# Altium PCB OpenPLCv0.2.0.PcbDoc (part 1 of 6) (continued)
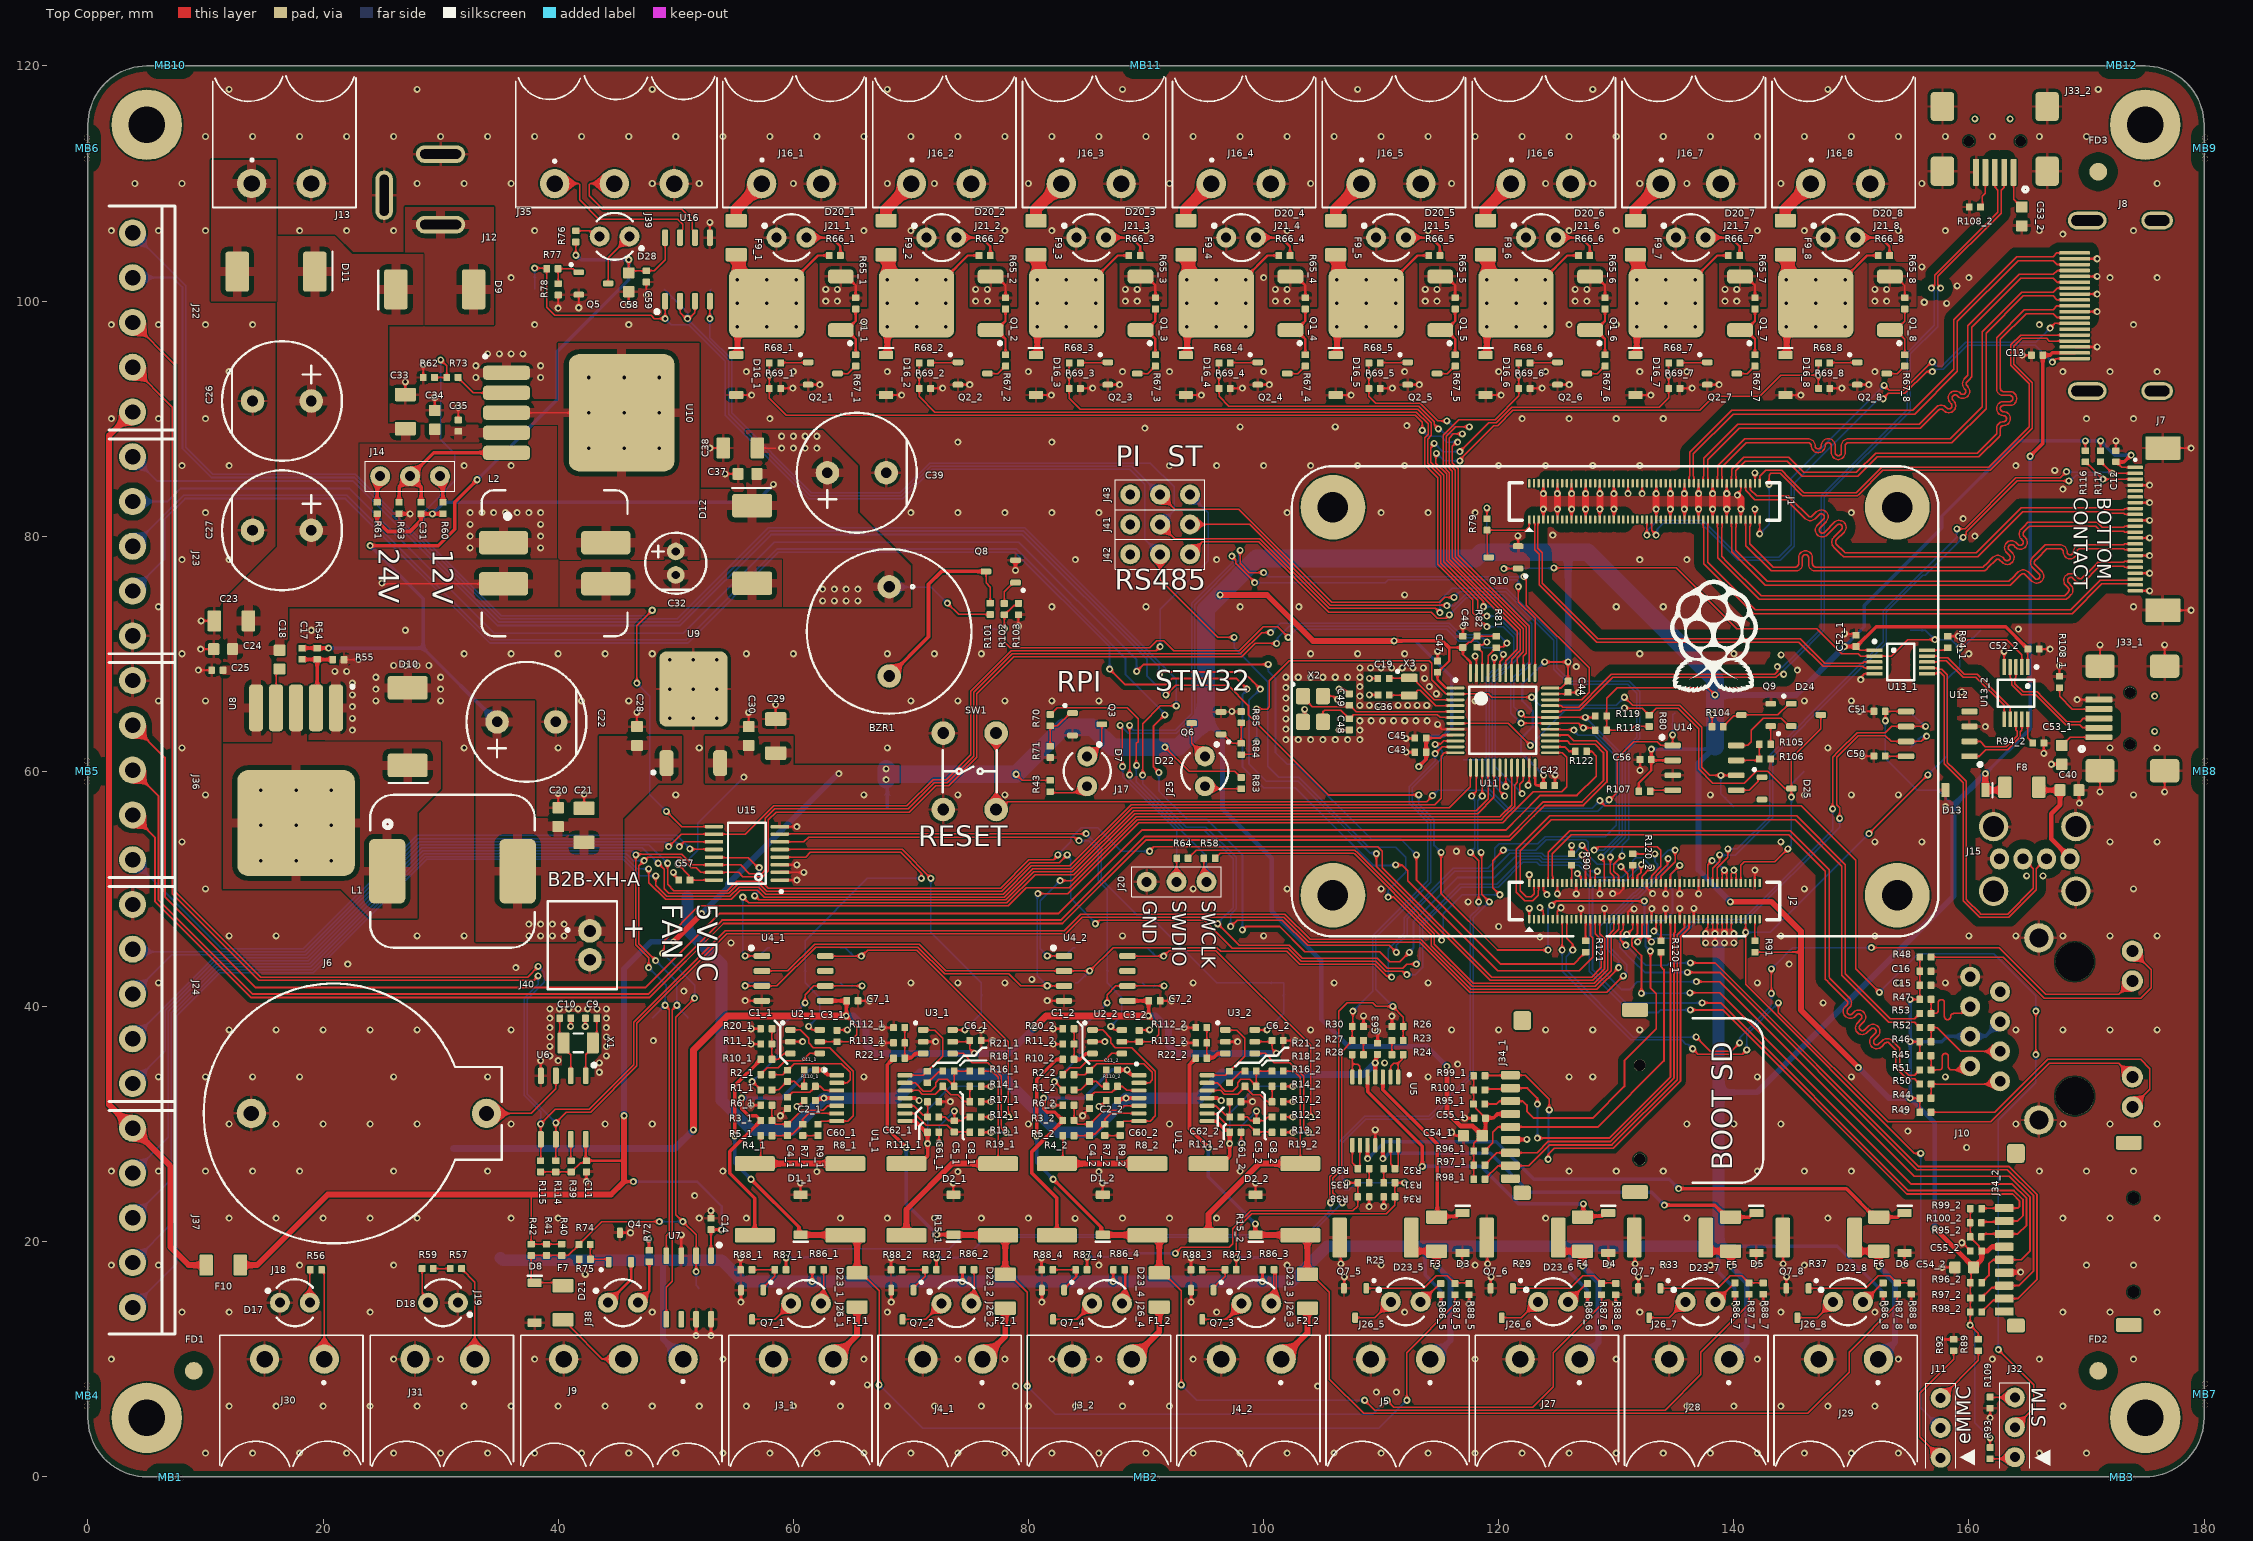
[diagram p0: Top Copper view]
## Classes and differential pairs
differential pair class 120R_DIFF_PAIRS: RS485
net class 120R_PAIRS: RS485_N RS485_P
net class SPI_DATA: GPIO19 GPIO20 MCU_SPI_MISO MCU_SPI_MOSI
net class SPI_CLK: GPIO21 MCU_SPI_SCK PI_SPI_SCK SPI2_SCK
net class SDIO_CLK_CMD: GPIO22 GPIO23 SD_CLK SD_CLK_1 SD_CLK_2 SD_CMD
net class SDIO_DATA: GPIO24 GPIO25 GPIO26 GPIO27 SD_DAT0 SD_DAT1 SD_DAT2 SD_DAT3 SD_DAT4 SD_DAT4_2 SD_DAT5 SD_DAT5_2 SD_DAT6 SD_DAT6_2 SD_DAT7 SD_DAT7_2
component class LED_AO8: D23_8 J26_8 Q7_8 R86_8 R87_8 R88_8
component class USB_UFP_STM: C53_2 J33_2 R108_2
net class STM_GPIO[1..5]: STM_GPIO1 STM_GPIO2 STM_GPIO3 STM_GPIO4 STM_GPIO5
channel class OpenPLCv0.2.0_USBSwitch: USBMUX1 USBMUX2
channel class OpenPLCv0.2.0_USBPortTypeB: USB_DFP_PI USB_UFP
channel class OpenPLCv0.2.0_SDCard: SD_BOOT SD_STG
channel class OpenPLCv0.2.0_IOLED: LED_AI1 LED_AI2 LED_AI3 LED_AI4 LED_AO5
channel class OpenPLCv0.2.0_BinaryOut: BO1 BO2 BO3 BO4 BO5 BO6 BO7 BO8
channel class OpenPLCv0.2.0_AnalogueOutput: AO1 AO2
net class EXP_GPIO[1..8]: EXP_GPIO1 EXP_GPIO2 EXP_GPIO3 EXP_GPIO4 EXP_GPIO5 EXP_GPIO6 EXP_GPIO7 EXP_GPIO8
component class WDG: C56 D24 D25 Q9 R104 R105 R106 R107 SW1 TP44 TP45 U14
component class USBMUX2: C52_2 R94_2 TP35_2 U13_2
component class USBMUX1: C52_1 R94_1 TP35_1 U13_1
component class USB_DFP_PI: C53_1 J33_1 R108_1
component class SERIAL: C50 C51 TP27 TP28 U12
component class SD_STG: C54_2 C55_2 J34_2 R95_2 R96_2 R97_2 R98_2 R99_2 R100_2 R120_2
component class SD_BOOT: C54_1 C55_1 J34_1 R95_1 R96_1 R97_1 R98_1 R99_1 R100_1 R120_1
component class RS485: C58 C59 D28 J35 J39 J41 J42 J43 Q5 R76 R77 R78 TP48 TP49 TP50 U16
component class GPIO: C57 TP46 TP47 U15
component class EXP: F10 J22 J23 J24 J36 J37 R121 R122
component class BUZZ: BZR1 Q8 R101 R102 R103 TP42
component class OpenPLCv0.2.0_TopLevel: FD1 FD2 FD3 J11 MB1 MB2 MB3 MB4 MB5 MB6 MB7 MB8 MB9 MB10 MB11 MB12 Q10 R79 R89 R92 TP7 TP8 TP9 TP21
component class CM4: D7 J1 J2 J17 J40 Q3 R43 R70 R71 R90 R91
component class LED_AO7: D23_7 J26_7 Q7_7 R86_7 R87_7 R88_7
component class LED_AO6: D23_6 J26_6 Q7_6 R86_6 R87_6 R88_6
component class LED_AO5: D23_5 J26_5 Q7_5 R86_5 R87_5 R88_5
component class LED_AI4: D23_4 J26_4 Q7_4 R86_4 R87_4 R88_4
component class LED_AI3: D23_3 J26_3 Q7_3 R86_3 R87_3 R88_3
component class LED_AI2: D23_2 J26_2 Q7_2 R86_2 R87_2 R88_2
component class LED_AI1: D23_1 J26_1 Q7_1 R86_1 R87_1 R88_1
differential pair class 100R_DIFF_PAIRS: CAM0_C CAM0_D0 CAM0_D1 CAM1_C CAM1_D0 CAM1_D1 CAM1_D2 CAM1_D3 DSI0.CLK DSI0.D0 DSI0.D1 DSI0.D2 DSI0.D3 DSI0_C DSI0_D0 DSI0_D1 DSI1_C DSI1_D0 DSI1_D1 DSI1_D2 DSI1_D3 ETH_GB.D0 ETH_GB.D1 ETH_GB.D2 ETH_GB.D3 ETH_RES_0 ETH_RES_1 HDMI0.CLK HDMI0.D0 HDMI0.D1 HDMI0.D2 HDMI1_CLK HDMI1_TX0 HDMI1_TX1 HDMI1_TX2
differential pair class 90R_DIFF_PAIRS: P\C\I\E\_\C\L\K\ P\C\I\E\_\R\X\ P\C\I\E\_\T\X\ STM_USB_MCU.DATA USB.DATA USB.DATA_1 USB_1_D_2 USB_2_D_2 USB_COM_D_1
net class PWM[1..9]: PWM1 PWM2 PWM3 PWM4 PWM5 PWM6 PWM7 PWM8 PWM9
net class GPIO[2..27]: GPIO2 GPIO3 GPIO4 GPIO5 GPIO6 GPIO7 GPIO8 GPIO9 GPIO10 GPIO11 GPIO12 GPIO13 GPIO14 GPIO15 GPIO16 GPIO17 GPIO18 GPIO19 GPIO20 GPIO21 GPIO22 GPIO23 GPIO24 GPIO25 GPIO26 GPIO27
net class ANALOG_IP[0..1]: ANALOG_IP0 ANALOG_IP1
net class ADC_IN[1..4]: ADC_IN1 ADC_IN2 ADC_IN3 ADC_IN4
net class 100R_PAIRS: CAM0_C_N CAM0_C_P CAM0_D0_N CAM0_D0_P CAM0_D1_N CAM0_D1_P CAM1_C_N CAM1_C_P CAM1_D0_N CAM1_D0_P CAM1_D1_N CAM1_D1_P CAM1_D2_N CAM1_D2_P CAM1_D3_N CAM1_D3_P DSI0.CLK_N DSI0.CLK_P DSI0.D0_N DSI0.D0_P DSI0.D1_N DSI0.D1_P DSI0.D2_N DSI0.D2_P DSI0.D3_N DSI0.D3_P DSI0_C_N DSI0_C_P DSI0_D0_N DSI0_D0_P DSI0_D1_N DSI0_D1_P ETH_GB.D0_N ETH_GB.D0_P ETH_GB.D1_N ETH_GB.D1_P ETH_GB.D2_N ETH_GB.D2_P ETH_GB.D3_N ETH_GB.D3_P ETH_RES_0_N ETH_RES_0_P ETH_RES_1_N ETH_RES_1_P HDMI0.CLK_N HDMI0.CLK_P HDMI0.D0_N HDMI0.D0_P HDMI0.D1_N HDMI0.D1_P HDMI0.D2_N HDMI0.D2_P HDMI1_CLK_N HDMI1_CLK_P HDMI1_TX0_N HDMI1_TX0_P HDMI1_TX1_N HDMI1_TX1_P HDMI1_TX2_N HDMI1_TX2_P
net class 90R_PAIRS: P\C\I\E\_\C\L\K\_N P\C\I\E\_\C\L\K\_P P\C\I\E\_\R\X\_N P\C\I\E\_\R\X\_P P\C\I\E\_\T\X\_N P\C\I\E\_\T\X\_P STM_USB_MCU.DATA_N STM_USB_MCU.DATA_P USB.DATA_1_N USB.DATA_1_P USB.DATA_N USB.DATA_P USB_1_D_2_N USB_1_D_2_P USB_2_D_2_N USB_2_D_2_P USB_COM_D_1_N USB_COM_D_1_P
component class USB_UFP: C40 D13 F8 J15
component class RTC: C9 C10 C11 J6 R39 R114 R115 U6 X1
component class PWR: C17 C18 C20 C21 C22 C23 C24 C25 C26 C27 C28 C29 C30 C31 C32 C33 C34 C35 C37 C38 C39 D9 D10 D11 D12 D17 D18 J12 J13 J14 J18 J19 J30 J31 L1 L2 R54 R55 R56 R57 R59 R60 R61 R62 R63 R73 TP1 TP2 TP3 U8 U9 U10
component class ETH: C15 C16 J10 R44 R45 R46 R47 R48 R49 R50 R51 R52 R53
component class DSP: C12 C13 J7 J8 R116 R117
component class MCU: C19 C36 C42 C43 C44 C45 C46 C47 C48 C49 D22 J20 J25 J32 Q6 R58 R64 R80 R81 R82 R83 R84 R85 R93 R109 R118 R119 TP25 TP26 U11 X2 X3
component class BO8: D16_8 D20_8 F9_8 J16_8 J21_8 Q1_8 Q2_8 R65_8 R66_8 R67_8 R68_8 R69_8 TP22_8
component class BO7: D16_7 D20_7 F9_7 J16_7 J21_7 Q1_7 Q2_7 R65_7 R66_7 R67_7 R68_7 R69_7 TP22_7
component class BO6: D16_6 D20_6 F9_6 J16_6 J21_6 Q1_6 Q2_6 R65_6 R66_6 R67_6 R68_6 R69_6 TP22_6
component class BO5: D16_5 D20_5 F9_5 J16_5 J21_5 Q1_5 Q2_5 R65_5 R66_5 R67_5 R68_5 R69_5 TP22_5
component class BO4: D16_4 D20_4 F9_4 J16_4 J21_4 Q1_4 Q2_4 R65_4 R66_4 R67_4 R68_4 R69_4 TP22_4
component class BO3: D16_3 D20_3 F9_3 J16_3 J21_3 Q1_3 Q2_3 R65_3 R66_3 R67_3 R68_3 R69_3 TP22_3
component class BO2: D16_2 D20_2 F9_2 J16_2 J21_2 Q1_2 Q2_2 R65_2 R66_2 R67_2 R68_2 R69_2 TP22_2
component class BO1: D16_1 D20_1 F9_1 J16_1 J21_1 Q1_1 Q2_1 R65_1 R66_1 R67_1 R68_1 R69_1 TP22_1
component class AO2: C1_2 C2_2 C3_2 C4_2 C5_2 C6_2 C7_2 C8_2 C41_2 C60_2 C61_2 C62_2 D1_2 D2_2 F1_2 F2_2 J3_2 J4_2 R1_2 R2_2 R3_2 R4_2 R5_2 R6_2 R7_2 R8_2 R9_2 R10_2 R11_2 R12_2 R13_2 R14_2 R15_2 R16_2 R17_2 R18_2 R19_2 R20_2 R21_2 R22_2 R110_2 R111_2 R112_2 R113_2 TP4_2 TP5_2 TP6_2 TP11_2 U1_2 U2_2 U3_2 U4_2
component class AO1: C1_1 C2_1 C3_1 C4_1 C5_1 C6_1 C7_1 C8_1 C41_1 C60_1 C61_1 C62_1 D1_1 D2_1 F1_1 F2_1 J3_1 J4_1 R1_1 R2_1 R3_1 R4_1 R5_1 R6_1 R7_1 R8_1 R9_1 R10_1 R11_1 R12_1 R13_1 R14_1 R15_1 R16_1 R17_1 R18_1 R19_1 R20_1 R21_1 R22_1 R110_1 R111_1 R112_1 R113_1 TP4_1 TP5_1 TP6_1 TP11_1 U1_1 U2_1 U3_1 U4_1
component class AI: C63 D3 D4 D5 D6 F3 F4 F5 F6 J5 J27 J28 J29 R23 R24 R25 R26 R27 R28 R29 R30 R31 R32 R33 R34 R35 R36 R37 R38 TP13 TP14 TP15 TP16 U5
component class 1Wire: C14 D8 D21 F7 J9 J38 Q4 R40 R41 R42 R72 R74 R75 TP19 U7
differential pair ETH_RES_1: +ETH_RES_1_P -ETH_RES_1_N
differential pair ETH_RES_0: +ETH_RES_0_P -ETH_RES_0_N
differential pair RS485: +RS485_P -RS485_N
differential pair STM_USB_MCU.DATA: +STM_USB_MCU.DATA_P -STM_USB_MCU.DATA_N
differential pair DSI0_D1: +DSI0_D1_P -DSI0_D1_N
differential pair DSI0_D0: +DSI0_D0_P -DSI0_D0_N
differential pair DSI0_C: +DSI0_C_P -DSI0_C_N
differential pair DSI0.D3: +DSI0.D3_P -DSI0.D3_N
differential pair DSI0.D2: +DSI0.D2_P -DSI0.D2_N
differential pair USB_COM_D_1: +USB_COM_D_1_P -USB_COM_D_1_N
differential pair USB_2_D_2: +USB_2_D_2_P -USB_2_D_2_N
differential pair USB_1_D_2: +USB_1_D_2_P -USB_1_D_2_N
differential pair USB.DATA: +USB.DATA_P -USB.DATA_N
differential pair USB.DATA_1: +USB.DATA_1_P -USB.DATA_1_N
differential pair HDMI1_TX2: +HDMI1_TX2_P -HDMI1_TX2_N
differential pair HDMI1_TX1: +HDMI1_TX1_P -HDMI1_TX1_N
differential pair HDMI1_TX0: +HDMI1_TX0_P -HDMI1_TX0_N
differential pair HDMI1_CLK: +HDMI1_CLK_P -HDMI1_CLK_N
differential pair P\C\I\E\_\T\X\: +P\C\I\E\_\T\X\_P -P\C\I\E\_\T\X\_N
differential pair P\C\I\E\_\R\X\: +P\C\I\E\_\R\X\_P -P\C\I\E\_\R\X\_N
differential pair P\C\I\E\_\C\L\K\: +P\C\I\E\_\C\L\K\_P -P\C\I\E\_\C\L\K\_N
differential pair HDMI0.D2: +HDMI0.D2_P -HDMI0.D2_N
differential pair HDMI0.D1: +HDMI0.D1_P -HDMI0.D1_N
differential pair HDMI0.D0: +HDMI0.D0_P -HDMI0.D0_N
differential pair HDMI0.CLK: +HDMI0.CLK_P -HDMI0.CLK_N
differential pair ETH_GB.D3: +ETH_GB.D3_P -ETH_GB.D3_N
differential pair ETH_GB.D2: +ETH_GB.D2_P -ETH_GB.D2_N
differential pair ETH_GB.D1: +ETH_GB.D1_P -ETH_GB.D1_N
differential pair ETH_GB.D0: +ETH_GB.D0_P -ETH_GB.D0_N
differential pair DSI0.D1: +DSI0.D1_P -DSI0.D1_N
differential pair DSI0.D0: +DSI0.D0_P -DSI0.D0_N
differential pair DSI0.CLK: +DSI0.CLK_P -DSI0.CLK_N
differential pair CAM1_D3: +CAM1_D3_P -CAM1_D3_N
differential pair CAM1_D2: +CAM1_D2_P -CAM1_D2_N
differential pair CAM1_D1: +CAM1_D1_P -CAM1_D1_N
differential pair CAM1_D0: +CAM1_D0_P -CAM1_D0_N
differential pair CAM1_C: +CAM1_C_P -CAM1_C_N
differential pair CAM0_D1: +CAM0_D1_P -CAM0_D1_N
differential pair CAM0_D0: +CAM0_D0_P -CAM0_D0_N
differential pair CAM0_C: +CAM0_C_P -CAM0_C_N

## Components (designator, comment, footprint, x,y, rotation, side; value= is the part's Value field where it differs from the comment)
BZR1 "SFN-1407PA7.6" SFN-1407PA7.6 68.151,71.9 r0 top
C1_1 "CC0402KRX7R9BB103" SMD_CAP_0402(1005)_N 59.5,34.1 r270 top (schematic designator C1)
C1_2 "CC0402KRX7R9BB103" SMD_CAP_0402(1005)_N 85.2,34.1 r270 top (schematic designator C1)
C2_1 "CC0402KRX5R9BB104" SMD_CAP_0402(1005)_N 61.4,32 r0 top (schematic designator C2)
C2_2 "CC0402KRX5R9BB104" SMD_CAP_0402(1005)_N 87.1,32 r0 top (schematic designator C2)
C3_1 "CC0402KRX5R6BB104" SMD_CAP_0402(1005)_N 63.72,37.48 r270 top (schematic designator C3)
C3_2 "CC0402KRX5R6BB104" SMD_CAP_0402(1005)_N 89.42,37.48 r270 top (schematic designator C3)
C4_1 "CC0402KRX7R9BB103" SMD_CAP_0402(1005)_N 59.5,29.5 r90 top (schematic designator C4)
C4_2 "CC0402KRX7R9BB103" SMD_CAP_0402(1005)_N 85.2,29.5 r90 top (schematic designator C4)
C5_1 "CC0402KRX7R9BB103" SMD_CAP_0402(1005)_N 73.7,29.8 r90 top (schematic designator C5)
C5_2 "CC0402KRX7R9BB103" SMD_CAP_0402(1005)_N 99.4,29.8 r90 top (schematic designator C5)
C6_1 "CC0402KRX5R6BB104" SMD_CAP_0402(1005)_N 75.5,37.1 r180 top (schematic designator C6)
C6_2 "CC0402KRX5R6BB104" SMD_CAP_0402(1005)_N 101.2,37.1 r180 top (schematic designator C6)
C7_1 "CC0402KRX5R6BB104" SMD_CAP_0402(1005)_N 65.024,40.482 r180 top (schematic designator C7)
C7_2 "CC0402KRX5R6BB104" SMD_CAP_0402(1005)_N 90.724,40.482 r180 top (schematic designator C7)
C8_1 "CC0402KRX7R9BB103" SMD_CAP_0402(1005)_N 73.2,33.2 r180 top (schematic designator C8)
C8_2 "CC0402KRX7R9BB103" SMD_CAP_0402(1005)_N 98.9,33.2 r180 top (schematic designator C8)
C9 "CC0402KRX5R9BB104" SMD_CAP_0402(1005)_N 42.8,39 r0 top
C10 "CC0402KRX5R9BB104" SMD_CAP_0402(1005)_N 40.6,39 r180 top
C11 "CC0402KRX5R6BB104" SMD_CAP_0402(1005)_N 42.4,26.4 r90 top
C12 "CC0402KRX5R6BB104" SMD_CAP_0402(1005)_N 172.5,86.8 r270 top
C13 "CC0402KRX5R6BB104" SMD_CAP_0402(1005)_N 165.8,95.4 r0 top
C14 "CC0402KRX5R6BB104" SMD_CAP_0402(1005)_N 53,21.5 r270 top
C15 "CC0402KRX5R9BB104" SMD_CAP_0402(1005)_N 156.3,41.8 r180 top
C16 "CC0402KRX5R9BB104" SMD_CAP_0402(1005)_N 156.3,43 r180 top
C17 "CC0402KRX7R9BB333" SMD_CAP_0402(1005)_N 18.2,70 r90 top
C18 "CC0603KRX5R9BB105" SMD_CAP_0603(0201)_N 16.3,69.5 r90 top
C19 "CC0402JRNPO9BN200" SMD_CAP_0402(1005)_N 110.2,67.9 r0 top
C20 "CC0603KRX5R9BB105" SMD_CAP_0603(0201)_N 40,56.1 r270 top
C21 "CC1206KKX5R9BB106" SMD_CAP_1206(3216)_N 42.2,55.4 r270 top
C22 "ECR1HPT221MLL100012" Electrolytic_D10mm_H12.5mm 37.3,64.2 r270 top
C23 "CC1206KKX5R9BB106" SMD_CAP_1206(3216)_N 12.2,72.8 r0 top
C24 "CC0603KRX5R9BB105" SMD_CAP_0603(0201)_N 11.5,70.4 r0 top
C25 "CC0402KRX5R9BB104" SMD_CAP_0402(1005)_N 11,68.6 r0 top
C26 "ECR1HPT221MLL100012" Electrolytic_D10mm_H12.5mm 16.5,91.5 r90 top
C27 "ECR1HPT221MLL100012" Electrolytic_D10mm_H12.5mm 16.5,80.5 r90 top
C28 "CC0603KRX5R9BB105" SMD_CAP_0603(0201)_N 46.7,63 r270 top
C29 "CC1206KKX5R9BB106" SMD_CAP_1206(3216)_N 58.5,63 r270 top
C30 "CC0603KRX5R9BB105" SMD_CAP_0603(0201)_N 56.2,63 r270 top
C31 "CC0402KRX7R9BB333" SMD_CAP_0402(1005)_N 28.333,82.4 r270 top
C32 "KM226M050D11RR0VH2FP0" Electrolytic_D5mm_H11mm 50,77.7 r180 top
C33 "CC1206KKX5R9BB106" SMD_CAP_1206(3216)_N 27,90.6 r270 top
C34 "CC0603KRX5R9BB105" SMD_CAP_0603(0201)_N 29.5,89.9 r270 top
C35 "CC0402KRX5R9BB104" SMD_CAP_0402(1005)_N 31.5,89.4 r270 top
C36 "CC0402JRNPO9BN200" SMD_CAP_0402(1005)_N 110.22,66.5 r0 top
C37 "CC0603KRX5R9BB105" SMD_CAP_0603(0201)_N 56.1,85.3 r0 top
C38 "CC1206KKX5R9BB106" SMD_CAP_1206(3216)_N 55.5,87.5 r0 top
C39 "ECR1HPT221MLL100012" Electrolytic_D10mm_H12.5mm 65.4,85.4 r270 top
C40 "CC0603KRX5R6BB475" SMD_CAP_0603(0201)_N 168.55,58.4 r180 top
C41_1 "CC0402KRX7R9BB103" SMD_CAP_0402(1005)_N 61.4,34.6 r180 top (schematic designator C41)
C41_2 "CC0402KRX7R9BB103" SMD_CAP_0402(1005)_N 87.1,34.6 r180 top (schematic designator C41)
C42 "CC0402KRX5R6BB104" SMD_CAP_0402(1005)_N 124.3,58.8 r180 top
C43 "CC0402KRX5R6BB104" SMD_CAP_0402(1005)_N 113.35,61.63 r0 top
C44 "CC0402KRX5R6BB104" SMD_CAP_0402(1005)_N 125.9,67.2 r90 top
C45 "CC0402KRX5R6BB104" SMD_CAP_0402(1005)_N 113.35,62.83 r0 top
C46 "CC0402KRX5R6BB104" SMD_CAP_0402(1005)_N 116.95,71.01 r270 top
C47 "CC0402KRX7R9BB103" SMD_CAP_0402(1005)_N 114.8,68.9 r270 top
C48 "CC0402JRNPO9BN120" SMD_CAP_0402(1005)_N 107.3,66.1 r270 top
C49 "CC0402JRNPO9BN120" SMD_CAP_0402(1005)_N 107.3,64 r90 top
C50 "CC0402KRX5R6BB104" SMD_CAP_0402(1005)_N 152.4,61.3 r0 top
C51 "CC0402KRX5R6BB104" SMD_CAP_0402(1005)_N 152.4,65.1 r0 top
C52_1 "CC0402KRX5R6BB104" SMD_CAP_0402(1005)_N 150.4,71.1 r270 top (schematic designator C52)
C52_2 "CC0402KRX5R6BB104" SMD_CAP_0402(1005)_N 165.5,70.4 r180 top (schematic designator C52)
C53_1 "CC0603KRX5R6BB475" SMD_CAP_0603(0201)_N 167.9,61.4 r90 top (schematic designator C53)
C53_2 "CC0603KRX5R6BB475" SMD_CAP_0603(0201)_N 164.5,107.2 r90 top (schematic designator C53)
C54_1 "CC0603KRX5R9BB105" SMD_CAP_0603(0201)_N 117.8,29 r0 top (schematic designator C54)
C54_2 "CC0603KRX5R9BB105" SMD_CAP_0603(0201)_N 159.6,17.8 r0 top (schematic designator C54)
C55_1 "CC0402KRX5R6BB104" SMD_CAP_0402(1005)_N 118.4,30.5 r0 top (schematic designator C55)
C55_2 "CC0402KRX5R6BB104" SMD_CAP_0402(1005)_N 160.6,19.2 r0 top (schematic designator C55)
C56 "CC0402KRX5R6BB104" SMD_CAP_0402(1005)_N 132.5,61 r0 top
C57 "CC0402KRX5R6BB104" SMD_CAP_0402(1005)_N 50.73,50.75 r0 top
C58 "CC0603KRX5R9BB105" SMD_CAP_0603(0201)_N 46,101.6 r90 top
C59 "CC0402KRX5R6BB104" SMD_CAP_0402(1005)_N 47.5,102.1 r90 top
C60_1 "CC0402KRX7R9BB103" SMD_CAP_0402(1005)_N 59.5,31.8 r270 top (schematic designator C60)
C60_2 "CC0402KRX7R9BB103" SMD_CAP_0402(1005)_N 85.2,31.8 r270 top (schematic designator C60)
C61_1 "CC0402KRX7R9BB103" SMD_CAP_0402(1005)_N 71.9,29.3 r0 top (schematic designator C61)
C61_2 "CC0402KRX7R9BB103" SMD_CAP_0402(1005)_N 97.6,29.3 r0 top (schematic designator C61)
C62_1 "CC0402KRX7R9BB103" SMD_CAP_0402(1005)_N 71.9,31.9 r0 top (schematic designator C62)
C62_2 "CC0402KRX7R9BB103" SMD_CAP_0402(1005)_N 97.6,31.9 r0 top (schematic designator C62)
C63 "CC0402KRX5R9BB104" SMD_CAP_0402(1005)_N 109.7,36.4 r270 top
D1_1 "SMF22A" SOD-123FL 60.624,22.282 r90 top (schematic designator D1)
D1_2 "SMF22A" SOD-123FL 86.324,22.282 r90 top (schematic designator D1)
D2_1 "SMF22A" SOD-123FL 73.624,22.282 r90 top (schematic designator D2)
D2_2 "SMF22A" SOD-123FL 99.324,22.282 r90 top (schematic designator D2)
D3 "SMF22A" SOD-123FL 116.924,20.732 r270 top
D4 "SMF22A" SOD-123FL 129.324,20.732 r270 top
D5 "SMF22A" SOD-123FL 141.924,20.732 r270 top
D6 "SMF22A" SOD-123FL 154.524,20.732 r270 top
D7 "TJ-L3FYTGCBMCGSFLC6B-A5" LED_3MM_SPACED_6.4MM_BLUE 85,60 r270 top
D8 "SMF3.3A" SOD-123FL 38,14.8 r270 top
D9 "SK106C" DO-214AB 29.5,101 r0 top
D10 "SK106C" DO-214AB 27.2,63.8 r90 top
D11 "SK106C" DO-214AB 16,102.5 r180 top
D12 "SK106C" DO-214AB 56.5,79.3 r270 top
D13 "SMF5.0A" SOD-123FL 159.7,58.4 r180 top
D16_1 "SMF22A" SOD-123FL 55.143,93.711 r270 top (schematic designator D16)
D16_2 "SMF22A" SOD-123FL 67.892,93.711 r270 top (schematic designator D16)
D16_3 "SMF22A" SOD-123FL 80.641,93.711 r270 top (schematic designator D16)
D16_4 "SMF22A" SOD-123FL 93.39,93.711 r270 top (schematic designator D16)
D16_5 "SMF22A" SOD-123FL 106.139,93.711 r270 top (schematic designator D16)
D16_6 "SMF22A" SOD-123FL 118.888,93.711 r270 top (schematic designator D16)
D16_7 "SMF22A" SOD-123FL 131.637,93.711 r270 top (schematic designator D16)
D16_8 "SMF22A" SOD-123FL 144.386,93.711 r270 top (schematic designator D16)
D17 "TJ-L3FYTGCRTFCLFLC2R-A5" LED_3MM_SPACED_6.4MM_RED 17.6,14.8 r0 top
D18 "TJ-L3FYTGCRTFCLFLC2R-A5" LED_3MM_SPACED_6.4MM_RED 30.2,14.8 r180 top
D20_1 "TJ-L3FYTGCTCGSFLC2G-A5" LED_3MM_SPACED_6.4MM_GREEN 59.842,105.4 r0 top (schematic designator D20)
D20_2 "TJ-L3FYTGCTCGSFLC2G-A5" LED_3MM_SPACED_6.4MM_GREEN 72.591,105.4 r0 top (schematic designator D20)
D20_3 "TJ-L3FYTGCTCGSFLC2G-A5" LED_3MM_SPACED_6.4MM_GREEN 85.34,105.4 r0 top (schematic designator D20)
D20_4 "TJ-L3FYTGCTCGSFLC2G-A5" LED_3MM_SPACED_6.4MM_GREEN 98.089,105.4 r0 top (schematic designator D20)
D20_5 "TJ-L3FYTGCTCGSFLC2G-A5" LED_3MM_SPACED_6.4MM_GREEN 110.838,105.4 r0 top (schematic designator D20)
D20_6 "TJ-L3FYTGCTCGSFLC2G-A5" LED_3MM_SPACED_6.4MM_GREEN 123.587,105.4 r0 top (schematic designator D20)
D20_7 "TJ-L3FYTGCTCGSFLC2G-A5" LED_3MM_SPACED_6.4MM_GREEN 136.336,105.4 r0 top (schematic designator D20)
D20_8 "TJ-L3FYTGCTCGSFLC2G-A5" LED_3MM_SPACED_6.4MM_GREEN 149.085,105.4 r0 top (schematic designator D20)
D21 "TJ-L3FYTXHAMCGLFLC0A-A5" LED_3MM_SPACED_6.4MM_YELLOW 45.5,14.8 r0 top
D22 "TJ-L3FYTGCBMCGSFLC6B-A5" LED_3MM_SPACED_6.4MM_BLUE 95,60 r270 top
D23_1 "TJ-L3FYTGCTCGSFLC2G-A5" LED_3MM_SPACED_6.4MM_GREEN 61.09,14.727 r0 top (schematic designator D23)
D23_2 "TJ-L3FYTGCTCGSFLC2G-A5" LED_3MM_SPACED_6.4MM_GREEN 73.88,14.727 r0 top (schematic designator D23)
D23_3 "TJ-L3FYTGCTCGSFLC2G-A5" LED_3MM_SPACED_6.4MM_GREEN 99.39,14.727 r0 top (schematic designator D23)
D23_4 "TJ-L3FYTGCTCGSFLC2G-A5" LED_3MM_SPACED_6.4MM_GREEN 86.69,14.727 r0 top (schematic designator D23)
D23_5 "TJ-L3FYTGCTCGSFLC2G-A5" LED_3MM_SPACED_6.4MM_GREEN 112.09,14.877 r0 top (schematic designator D23)
D23_6 "TJ-L3FYTGCTCGSFLC2G-A5" LED_3MM_SPACED_6.4MM_GREEN 124.63,14.877 r0 top (schematic designator D23)
D23_7 "TJ-L3FYTGCTCGSFLC2G-A5" LED_3MM_SPACED_6.4MM_GREEN 137.17,14.877 r0 top (schematic designator D23)
D23_8 "TJ-L3FYTGCTCGSFLC2G-A5" LED_3MM_SPACED_6.4MM_GREEN 149.71,14.877 r0 top (schematic designator D23)
D24 "LBAT54ALT1G" SOT23-3 146.15,64.797 r0 top
D25 "LBAT54ALT1G" SOT23-3 143.65,58.547 r0 top
D28 "TJ-L3FYTXHAMCGLFLC0A-A5" LED_3MM_SPACED_6.4MM_YELLOW 44.8,105.5 r180 top
F1_1 "JK-NSMD005" SMD_RES_1206(3216)_N 65.424,15.882 r270 top (schematic designator F1)
F1_2 "JK-NSMD005" SMD_RES_1206(3216)_N 91.124,15.882 r270 top (schematic designator F1)
F2_1 "JK-NSMD005" SMD_RES_1206(3216)_N 78.024,15.782 r270 top (schematic designator F2)
F2_2 "JK-NSMD005" SMD_RES_1206(3216)_N 103.724,15.782 r270 top (schematic designator F2)
F3 "JK-NSMD005" SMD_RES_1206(3216)_N 114.724,20.632 r270 top
F4 "JK-NSMD005" SMD_RES_1206(3216)_N 127.124,20.632 r270 top
F5 "JK-NSMD005" SMD_RES_1206(3216)_N 139.724,20.632 r270 top
F6 "JK-NSMD005" SMD_RES_1206(3216)_N 152.324,20.632 r270 top
F7 "JK-NSMD005" SMD_RES_1206(3216)_N 40.4,14.8 r270 top
F8 "JK-NSMD025-30V" SMD_RES_1206(3216)_N 164.5,58.65 r0 top
F9_1 "JK-NSMD025-30V" SMD_RES_1206(3216)_N 55.143,105.395 r90 top (schematic designator F9)
F9_2 "JK-NSMD025-30V" SMD_RES_1206(3216)_N 67.892,105.395 r90 top (schematic designator F9)
F9_3 "JK-NSMD025-30V" SMD_RES_1206(3216)_N 80.641,105.395 r90 top (schematic designator F9)
F9_4 "JK-NSMD025-30V" SMD_RES_1206(3216)_N 93.39,105.395 r90 top (schematic designator F9)
F9_5 "JK-NSMD025-30V" SMD_RES_1206(3216)_N 106.139,105.395 r90 top (schematic designator F9)
F9_6 "JK-NSMD025-30V" SMD_RES_1206(3216)_N 118.888,105.395 r90 top (schematic designator F9)
F9_7 "JK-NSMD025-30V" SMD_RES_1206(3216)_N 131.637,105.395 r90 top (schematic designator F9)
F9_8 "JK-NSMD025-30V" SMD_RES_1206(3216)_N 144.386,105.395 r90 top (schematic designator F9)
F10 "JK-NSMD025-30V" SMD_RES_1206(3216)_N 11.5,18 r180 top
FD1 "Fiducial" FIDUCIAL 9,9 r270 top
FD2 "Fiducial" FIDUCIAL 171,9 r0 top
FD3 "Fiducial" FIDUCIAL 171,111 r0 top
J1 "DF40HC(3.0)-100DS-0.4V(51" DF40HC(3.0)-100DS-0.4V(51 132.4,82.96 r90 top
J2 "DF40HC(3.0)-100DS-0.4V(51" DF40HC(3.0)-100DS-0.4V(51 132.4,48.96 r90 top
J3_1 "WJ2EDGRC-5.08-2P" 796638-2_BoardEdgeAlt 63.39,10 r270 top (schematic designator J3)
J3_2 "WJ2EDGRC-5.08-2P" 796638-2_BoardEdgeAlt 88.794,10 r270 top (schematic designator J3)
J4_1 "WJ2EDGRC-5.08-2P" 796638-2_BoardEdgeAlt 76.092,10 r270 top (schematic designator J4)
J4_2 "WJ2EDGRC-5.08-2P" 796638-2_BoardEdgeAlt 101.496,10 r270 top (schematic designator J4)
J5 "WJ2EDGRC-5.08-2P" 796638-2_BoardEdgeAlt 114.198,10 r270 top
J6 "BS-2-1" BS-2-1 23.9,30.9 r90 top
J7 "X05B20L22T" X05B20L22T 174.15,80.6 r0 top
J8 "HDMI-001" HDMI-001 169,104.1 r180 top
J9 "WJ2EDGRC-5.08-3P" 796638-3_BoardEdgeAlt 50.621,10 r270 top
J10 "HR913550A" HR913550A 162.65,33.635 r270 top
J11 "12251103CNG0S115001" HEADER_3POS 157.6,6.69 r270 top
J12 "DC-005 5.5-2.0MM" "DC-005 5.5-2.0MM" 30,106.5 r180 top
J13 "WJ2EDGRC-5.08-2P" 796638-2_BoardEdgeAlt 13.92,110 r90 top
J14 "12251103CNG0S115001" HEADER_3POS 29.94,85.1 r180 top
J15 "C26235" C26235 165.6,52.55 r180 top
J16_1 "WJ2EDGRC-5.08-2P" 796638-2_BoardEdgeAlt 57.302,109.995 r90 top (schematic designator J16)
J16_2 "WJ2EDGRC-5.08-2P" 796638-2_BoardEdgeAlt 70.051,109.995 r90 top (schematic designator J16)
J16_3 "WJ2EDGRC-5.08-2P" 796638-2_BoardEdgeAlt 82.8,109.995 r90 top (schematic designator J16)
J16_4 "WJ2EDGRC-5.08-2P" 796638-2_BoardEdgeAlt 95.549,109.995 r90 top (schematic designator J16)
J16_5 "WJ2EDGRC-5.08-2P" 796638-2_BoardEdgeAlt 108.298,109.995 r90 top (schematic designator J16)
J16_6 "WJ2EDGRC-5.08-2P" 796638-2_BoardEdgeAlt 121.047,109.995 r90 top (schematic designator J16)
J16_7 "WJ2EDGRC-5.08-2P" 796638-2_BoardEdgeAlt 133.796,109.995 r90 top (schematic designator J16)
J16_8 "WJ2EDGRC-5.08-2P" 796638-2_BoardEdgeAlt 146.545,109.995 r90 top (schematic designator J16)
J17 "LEDS1-4-26" 3MM_LED_SPACER_6.4MM 85,60 r270 top
J18 "LEDS1-4-26" 3MM_LED_SPACER_6.4MM 17.6,14.7 r0 top
J19 "LEDS1-4-26" 3MM_LED_SPACER_6.4MM 30.2,14.7 r0 top
J20 "12251103CNG0S115001" HEADER_3POS 95.14,50.6 r180 top
J21_1 "LEDS1-4-26" 3MM_LED_SPACER_6.4MM 59.842,105.5 r90 top (schematic designator J21)
J21_2 "LEDS1-4-26" 3MM_LED_SPACER_6.4MM 72.591,105.5 r90 top (schematic designator J21)
J21_3 "LEDS1-4-26" 3MM_LED_SPACER_6.4MM 85.34,105.5 r90 top (schematic designator J21)
J21_4 "LEDS1-4-26" 3MM_LED_SPACER_6.4MM 98.089,105.5 r90 top (schematic designator J21)
J21_5 "LEDS1-4-26" 3MM_LED_SPACER_6.4MM 110.838,105.5 r90 top (schematic designator J21)
J21_6 "LEDS1-4-26" 3MM_LED_SPACER_6.4MM 123.587,105.5 r90 top (schematic designator J21)
J21_7 "LEDS1-4-26" 3MM_LED_SPACER_6.4MM 136.336,105.5 r90 top (schematic designator J21)
J21_8 "LEDS1-4-26" 3MM_LED_SPACER_6.4MM 149.085,105.5 r90 top (schematic designator J21)
J22 "WJ124-3.81-5P" WJ124-3.81-5P_BoardEdgeAlt 3.8,98.18 r90 top
J23 "WJ124-3.81-5P" WJ124-3.81-5P_BoardEdgeAlt 3.8,79.14 r90 top
J24 "WJ124-3.81-5P" WJ124-3.81-5P_BoardEdgeAlt 3.8,41.06 r90 top
J25 "LEDS1-4-26" 3MM_LED_SPACER_6.4MM 95,60 r270 top
J26_1 "LEDS1-4-26" 3MM_LED_SPACER_6.4MM 61.09,14.7 r0 top (schematic designator J26)
J26_2 "LEDS1-4-26" 3MM_LED_SPACER_6.4MM 73.88,14.7 r0 top (schematic designator J26)
J26_3 "LEDS1-4-26" 3MM_LED_SPACER_6.4MM 99.39,14.7 r0 top (schematic designator J26)
J26_4 "LEDS1-4-26" 3MM_LED_SPACER_6.4MM 86.69,14.7 r0 top (schematic designator J26)
J26_5 "LEDS1-4-26" 3MM_LED_SPACER_6.4MM 112.09,14.7 r0 top (schematic designator J26)
J26_6 "LEDS1-4-26" 3MM_LED_SPACER_6.4MM 124.56,14.7 r0 top (schematic designator J26)
J26_7 "LEDS1-4-26" 3MM_LED_SPACER_6.4MM 137.11,14.7 r0 top (schematic designator J26)
J26_8 "LEDS1-4-26" 3MM_LED_SPACER_6.4MM 149.71,14.7 r0 top (schematic designator J26)
J27 "WJ2EDGRC-5.08-2P" 796638-2_BoardEdgeAlt 126.9,10 r270 top
J28 "WJ2EDGRC-5.08-2P" 796638-2_BoardEdgeAlt 139.602,10 r270 top
J29 "WJ2EDGRC-5.08-2P" 796638-2_BoardEdgeAlt 152.304,10 r270 top
J30 "WJ2EDGRC-5.08-2P" 796638-2_BoardEdgeAlt 20.1,10 r270 top
J31 "WJ2EDGRC-5.08-2P" 796638-2_BoardEdgeAlt 32.9,10 r270 top
J32 "12251103CNG0S115001" HEADER_3POS 163.9,1.66 r90 top
J33_1 "920-462A2021S10100" 920-462A2021S10100 178.9,64.5 r180 top (schematic designator J33)
J33_2 "920-462A2021S10100" 920-462A2021S10100 162.2,118.8 r270 top (schematic designator J33)
J34_1 "XKTF-N02-N" XKTF-N02-N 121,34.15 r90 top (schematic designator J34)
J34_2 "XKTF-N02-N" XKTF-N02-N 163,22.85 r90 top (schematic designator J34)
J35 "WJ2EDGRC-5.08-3P" 796638-3_BoardEdgeAlt 39.7,109.995 r90 top
J36 "WJ124-3.81-5P" WJ124-3.81-5P_BoardEdgeAlt 3.8,60.1 r90 top
J37 "WJ124-3.81-5P" WJ124-3.81-5P_BoardEdgeAlt 3.8,22.02 r90 top
J38 "LEDS1-4-26" 3MM_LED_SPACER_6.4MM 45.5,14.7 r0 top
J39 "LEDS1-4-26" 3MM_LED_SPACER_6.4MM 44.8,105.5 r180 top
J40 "B2B-XH-A (LF)(SN)" "B2B-XH-A (LF)(SN)" 42.7,45.2 r90 top
J41 "12251103CNG0S115001" Header_3POS 93.74,81 r180 top
J42 "12251103CNG0S115001" Header_3POS 93.74,78.46 r180 top
J43 "12251103CNG0S115001" Header_3POS 93.74,83.54 r180 top
L1 "TMPC1206HP-470MG-D" TMPC1206HP-470MG-D 31,51.5 r0 top
L2 "HM78D-128470MLFTR" HM78D-128470MLFTR 39.7,77.7 r90 top
MB1 "Mousebite" MOUSEBITE 7,0 r0 top
MB2 "Mousebite" MOUSEBITE 90,0 r0 top
MB3 "Mousebite" MOUSEBITE 173,0 r0 top
MB4 "Mousebite" MOUSEBITE 0,6.9 r270 top
MB5 "Mousebite" MOUSEBITE 0,60 r270 top
MB6 "Mousebite" MOUSEBITE 0,113 r270 top
MB7 "Mousebite" MOUSEBITE 180,7 r90 top
MB8 "Mousebite" MOUSEBITE 180,60 r90 top
MB9 "Mousebite" MOUSEBITE 180,113 r90 top
MB10 "Mousebite" MOUSEBITE 7,120 r180 top
MB11 "Mousebite" MOUSEBITE 90,120 r180 top
MB12 "Mousebite" MOUSEBITE 173,120 r180 top
Q1_1 "SE20P03" TO-252 57.733,99.813 r90 top (schematic designator Q1)
Q1_2 "SE20P03" TO-252 70.482,99.813 r90 top (schematic designator Q1)
Q1_3 "SE20P03" TO-252 83.231,99.813 r90 top (schematic designator Q1)
Q1_4 "SE20P03" TO-252 95.98,99.813 r90 top (schematic designator Q1)
Q1_5 "SE20P03" TO-252 108.729,99.813 r90 top (schematic designator Q1)
Q1_6 "SE20P03" TO-252 121.478,99.813 r90 top (schematic designator Q1)
Q1_7 "SE20P03" TO-252 134.227,99.813 r90 top (schematic designator Q1)
Q1_8 "SE20P03" TO-252 146.976,99.813 r90 top (schematic designator Q1)
Q2_1 "PMBT3904,215" SOT23-3 62.509,93.838 r0 top (schematic designator Q2)
Q2_2 "PMBT3904,215" SOT23-3 75.258,93.838 r0 top (schematic designator Q2)
Q2_3 "PMBT3904,215" SOT23-3 88.007,93.838 r0 top (schematic designator Q2)
Q2_4 "PMBT3904,215" SOT23-3 100.756,93.838 r0 top (schematic designator Q2)
Q2_5 "PMBT3904,215" SOT23-3 113.505,93.838 r0 top (schematic designator Q2)
Q2_6 "PMBT3904,215" SOT23-3 126.254,93.838 r0 top (schematic designator Q2)
Q2_7 "PMBT3904,215" SOT23-3 139.003,93.838 r0 top (schematic designator Q2)
Q2_8 "PMBT3904,215" SOT23-3 151.752,93.838 r0 top (schematic designator Q2)
Q3 "PMBT3904,215" SOT23-3 85,64 r0 top
Q4 "2SA812" SOT23-3 45.25,19.5 r90 top
Q5 "PMBT3904,215" SOT23-3 43,101.5 r0 top
Q6 "PMBT3904,215" SOT23-3 95.13,64.097 r180 top
Q7_1 "PMBT3904,215" SOT23-3 56.49,14.627 r270 top (schematic designator Q7)
Q7_2 "PMBT3904,215" SOT23-3 69.28,14.627 r270 top (schematic designator Q7)
Q7_3 "PMBT3904,215" SOT23-3 94.79,14.627 r270 top (schematic designator Q7)
Q7_4 "PMBT3904,215" SOT23-3 82.09,14.627 r270 top (schematic designator Q7)
Q7_5 "PMBT3904,215" SOT23-3 107.79,14.777 r270 top (schematic designator Q7)
Q7_6 "PMBT3904,215" SOT23-3 120.26,14.777 r270 top (schematic designator Q7)
Q7_7 "PMBT3904,215" SOT23-3 132.81,14.777 r270 top (schematic designator Q7)
Q7_8 "PMBT3904,215" SOT23-3 145.41,14.777 r270 top (schematic designator Q7)
Q8 "PMBT3904,215" SOT23-3 77.65,77 r180 top
Q9 "PMBT3904,215" SOT23-3 141.9,64.797 r180 top
Q10 "PMBT3904,215" SOT23-3 120.4,78.2 r180 top
R1_1 "RC0402FR-0710KL" SMD_RES_0402(1005)_N 57.7,32.9 r0 top (schematic designator R1)
R1_2 "RC0402FR-0710KL" SMD_RES_0402(1005)_N 83.4,32.9 r0 top (schematic designator R1)
R2_1 "RC0402FR-0710KL" SMD_RES_0402(1005)_N 57.7,34.2 r0 top (schematic designator R2)
R2_2 "RC0402FR-0710KL" SMD_RES_0402(1005)_N 83.4,34.2 r0 top (schematic designator R2)
R3_1 "RC0402FR-0710KL" SMD_RES_0402(1005)_N 57.7,30.3 r180 top (schematic designator R3)
R3_2 "RC0402FR-0710KL" SMD_RES_0402(1005)_N 83.4,30.3 r180 top (schematic designator R3)
R4_1 "AC2512FK-0747RL" SMD_RES_2512(6432)_N 56.724,23.582 r270 top (schematic designator R4)
R4_2 "AC2512FK-0747RL" SMD_RES_2512(6432)_N 82.424,23.582 r270 top (schematic designator R4)
R5_1 "RC0402FR-0710KL" SMD_RES_0402(1005)_N 57.7,29 r180 top (schematic designator R5)
R5_2 "RC0402FR-0710KL" SMD_RES_0402(1005)_N 83.4,29 r180 top (schematic designator R5)
R6_1 "RC0402FR-0747KL" SMD_RES_0402(1005)_N 57.7,31.6 r0 top (schematic designator R6)
R6_2 "RC0402FR-0747KL" SMD_RES_0402(1005)_N 83.4,31.6 r0 top (schematic designator R6)
R7_1 "RC0402FR-0747KL" SMD_RES_0402(1005)_N 60.8,29.5 r90 top (schematic designator R7)
R7_2 "RC0402FR-0747KL" SMD_RES_0402(1005)_N 86.5,29.5 r90 top (schematic designator R7)
R8_1 "AC2512FK-0747RL" SMD_RES_2512(6432)_N 64.424,23.582 r90 top (schematic designator R8)
R8_2 "AC2512FK-0747RL" SMD_RES_2512(6432)_N 90.124,23.582 r90 top (schematic designator R8)
R9_1 "RC0402FR-0722KL" SMD_RES_0402(1005)_N 62.1,29.5 r90 top (schematic designator R9)
R9_2 "RC0402FR-0722KL" SMD_RES_0402(1005)_N 87.8,29.5 r90 top (schematic designator R9)
R10_1 "RC0402FR-0747KL" SMD_RES_0402(1005)_N 57.7,35.5 r180 top (schematic designator R10)
R10_2 "RC0402FR-0747KL" SMD_RES_0402(1005)_N 83.4,35.5 r180 top (schematic designator R10)
R11_1 "RC0402FR-0722KL" SMD_RES_0402(1005)_N 57.7,36.8 r0 top (schematic designator R11)
R11_2 "RC0402FR-0722KL" SMD_RES_0402(1005)_N 83.4,36.8 r0 top (schematic designator R11)
R12_1 "RC0402FR-0710KL" SMD_RES_0402(1005)_N 75.5,30.6 r180 top (schematic designator R12)
R12_2 "RC0402FR-0710KL" SMD_RES_0402(1005)_N 101.2,30.6 r180 top (schematic designator R12)
R13_1 "RC0402FR-0710KL" SMD_RES_0402(1005)_N 75.5,29.3 r180 top (schematic designator R13)
R13_2 "RC0402FR-0710KL" SMD_RES_0402(1005)_N 101.2,29.3 r180 top (schematic designator R13)
R14_1 "RC0402FR-0710KL" SMD_RES_0402(1005)_N 75.5,33.2 r0 top (schematic designator R14)
R14_2 "RC0402FR-0710KL" SMD_RES_0402(1005)_N 101.2,33.2 r0 top (schematic designator R14)
R15_1 "AC2512FK-0747RL" SMD_RES_2512(6432)_N 69.624,23.582 r90 top (schematic designator R15)
R15_2 "AC2512FK-0747RL" SMD_RES_2512(6432)_N 95.324,23.582 r90 top (schematic designator R15)
R16_1 "RC0402FR-0710KL" SMD_RES_0402(1005)_N 75.5,34.5 r0 top (schematic designator R16)
R16_2 "RC0402FR-0710KL" SMD_RES_0402(1005)_N 101.2,34.5 r0 top (schematic designator R16)
R17_1 "RC0402FR-0747KL" SMD_RES_0402(1005)_N 75.5,31.9 r180 top (schematic designator R17)
R17_2 "RC0402FR-0747KL" SMD_RES_0402(1005)_N 101.2,31.9 r180 top (schematic designator R17)
R18_1 "RC0402FR-0747KL" SMD_RES_0402(1005)_N 73.2,34.5 r0 top (schematic designator R18)
R18_2 "RC0402FR-0747KL" SMD_RES_0402(1005)_N 98.9,34.5 r0 top (schematic designator R18)
R19_1 "AC2512FK-0747RL" SMD_RES_2512(6432)_N 77.424,23.582 r90 top (schematic designator R19)
R19_2 "AC2512FK-0747RL" SMD_RES_2512(6432)_N 103.124,23.582 r90 top (schematic designator R19)
R20_1 "RC0402FR-0722KL" SMD_RES_0402(1005)_N 57.7,38.1 r0 top (schematic designator R20)
R20_2 "RC0402FR-0722KL" SMD_RES_0402(1005)_N 83.4,38.1 r0 top (schematic designator R20)
R21_1 "RC0402FR-0722KL" SMD_RES_0402(1005)_N 71.4,34 r90 top (schematic designator R21)
R21_2 "RC0402FR-0722KL" SMD_RES_0402(1005)_N 97.1,34 r90 top (schematic designator R21)
R22_1 "RC0402FR-0747KL" SMD_RES_0402(1005)_N 69,35.6 r180 top (schematic designator R22)
R22_2 "RC0402FR-0747KL" SMD_RES_0402(1005)_N 94.7,35.6 r180 top (schematic designator R22)
R23 "RC0402FR-0722KL" SMD_RES_0402(1005)_N 111.4,37.1 r180 top
R24 "RC0402FR-0747KL" SMD_RES_0402(1005)_N 111.4,35.9 r180 top
R25 "AC2512FK-07470RL" SMD_RES_2512(6432)_N 109.524,20.332 r0 top
R26 "RC0402FR-0710KL" SMD_RES_0402(1005)_N 111.4,38.3 r180 top